# Altium PCB PCB1.PcbDoc
Units mil, origin at the board's own origin, x right, y up, seen from the top; angles counter-clockwise.
Board outline 6000 x 4000 mil, 2 copper layers (Top Layer, Bottom Layer); 78 components, 75 nets, 516 pads, 0 vias.
Unrouted connection lines stored in the file: 162.
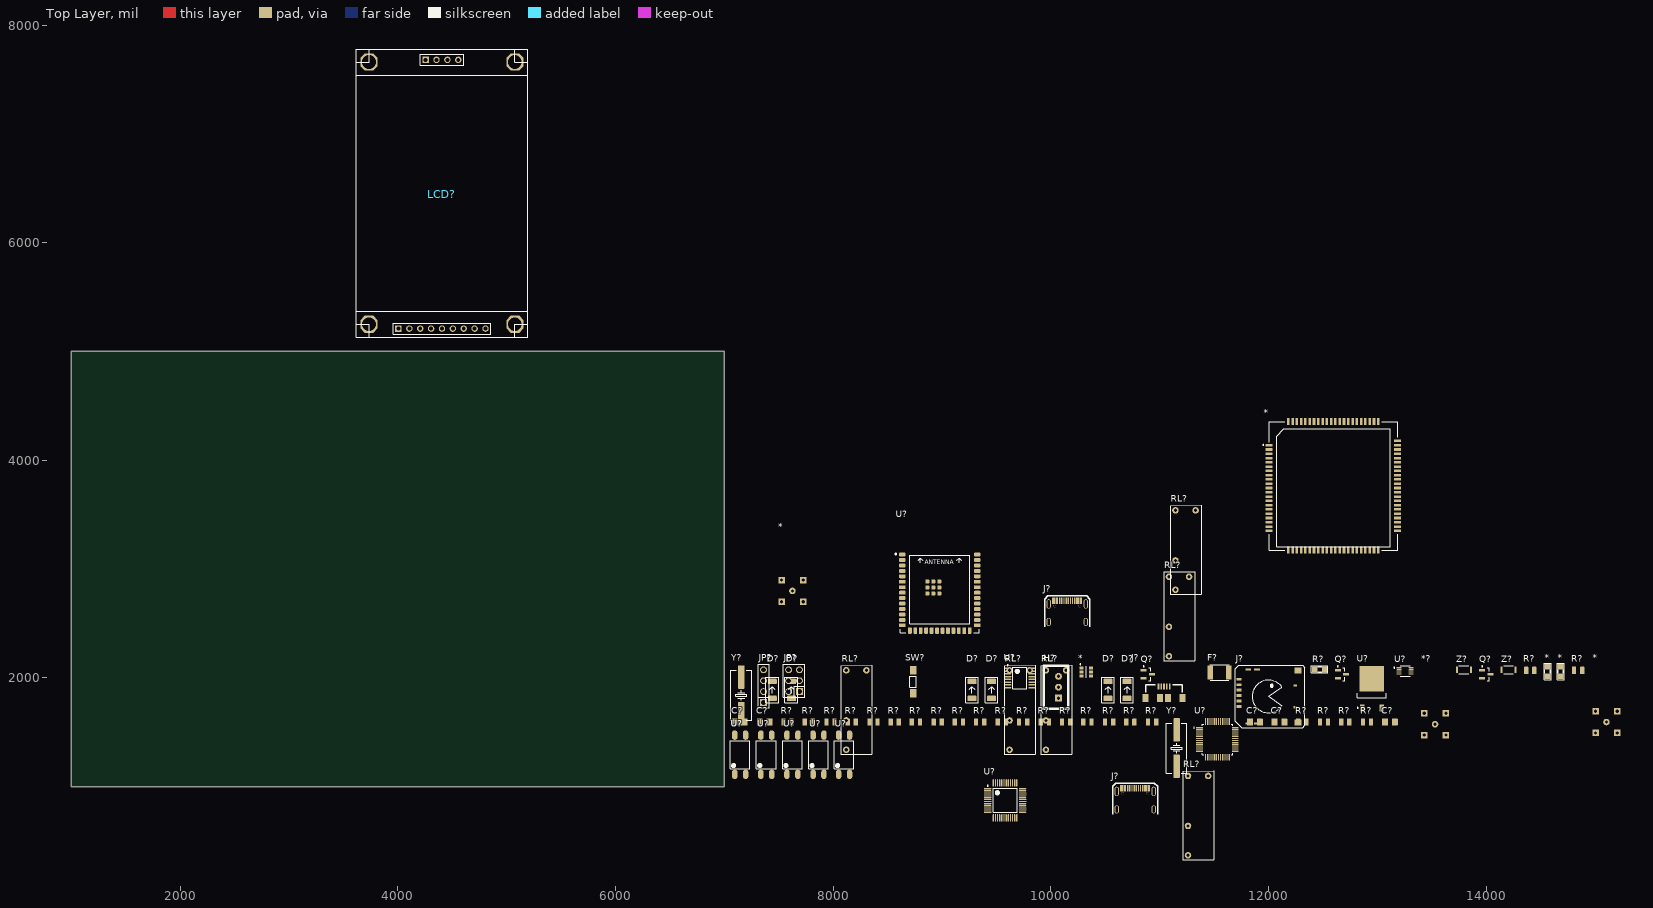
[diagram p0: Top Layer view]
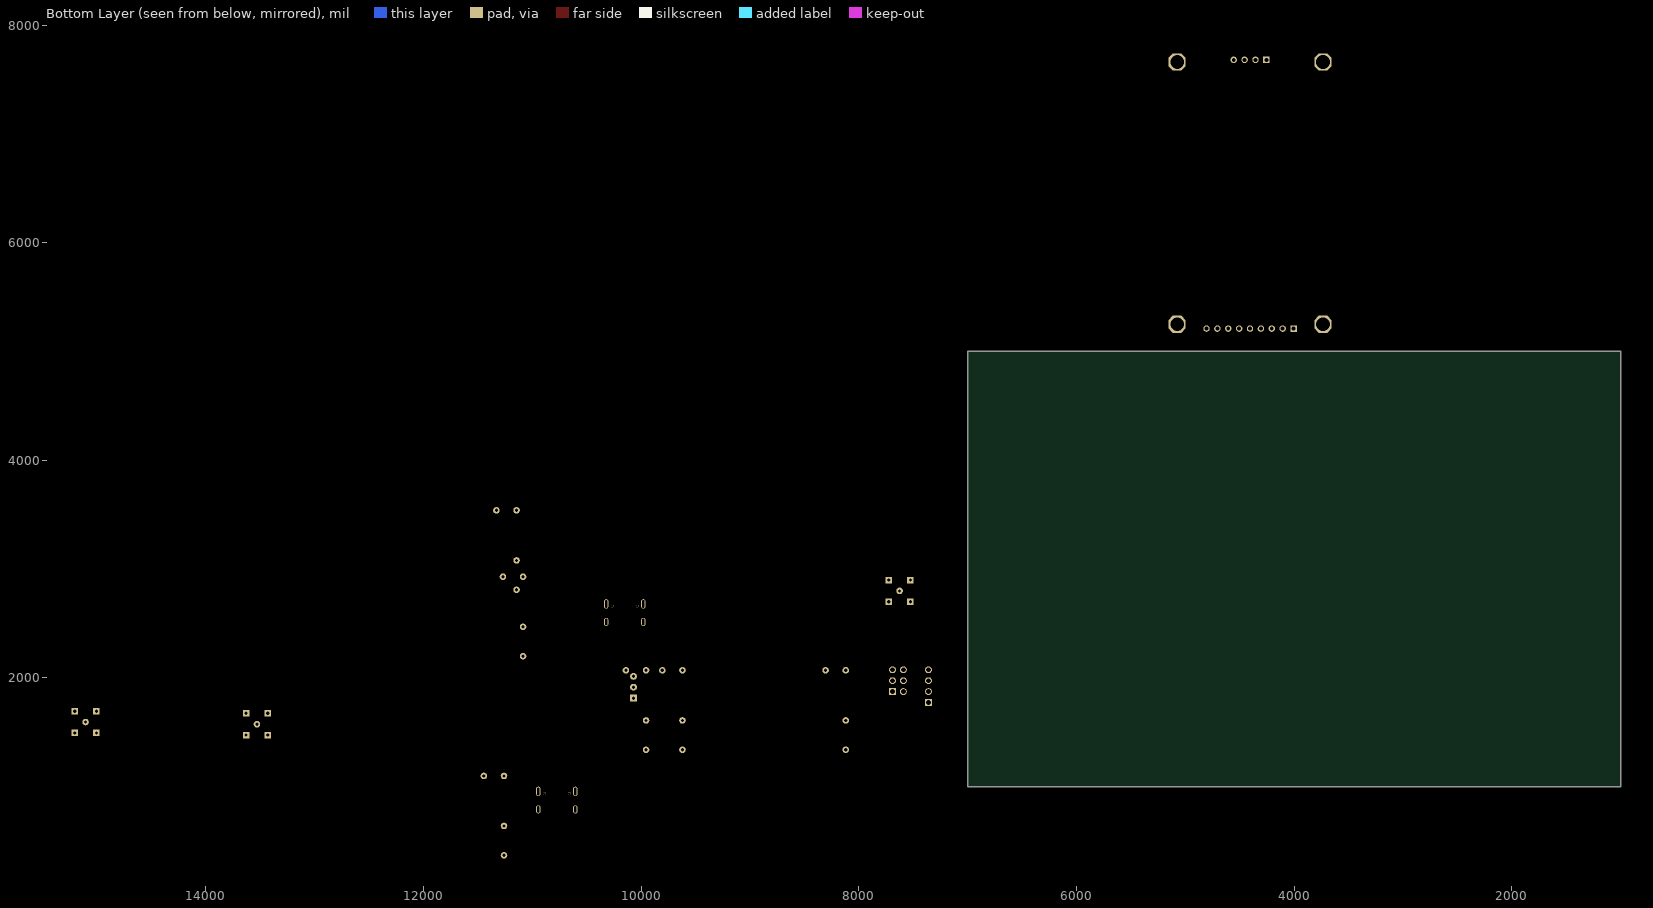
[diagram p1: Bottom Layer view, seen from below]

## Layer stack, top to bottom
Top Solder: solder mask 0.4, Solder Resist, Dk 3.5
Top Layer: signal copper 1.4
Dielectric 1: dielectric 12.6, FR-4, Dk 4.8
Bottom Layer: signal copper 1.4
Bottom Solder: solder mask 0.4, Solder Resist, Dk 3.5

## Board outline
1000,1000 7000,1000 7000,5000 1000,5000

## Design rules (kind name [scope] priority, off if disabled: settings)
Clearance [All] p1: gap=10 ignorepadtopadclearanceinfootprint=FALSE except(0: Arc-Hole Track-Hole SMDPad-Hole THPad-Hole Via-Hole Fill-Hole Poly-Hole Region-Hole Text-Hole)
PolygonConnect [All] p1: connectstyle=Relief reliefconductorwidth=10 reliefentries=4 polygonreliefangle="90 Angle" airgapwidth=10
RoomDefinition Sheet1 [InComponentClass('Sheet1')] p1: confinementstyle=ConfineIn formatcopy=TRUE lockcomponents=FALSE outline 7045,1060 13210,1060 13210,1750 7045,1750
RoutingVias [All] p1: holewidth=28 width=50 viastyle="Through Hole" minholewidth=28 minwidth=50 maxholewidth=28 maxwidth=50
SolderMaskExpansion [All] p1: expansion=4 istentingtop=FALSE
Width [All] p1: maxlimit=10 minlimit=10 preferedwidth=10
30 further rules are at their usual default settings.

## Classes and differential pairs
component class Sheet1: * *? C? D? F? H? JP? LCD? Q? R? RL? SW? U? Y? Z?

## Components (designator, comment, footprint, x,y, rotation, side; value= is the part's Value field where it differs from the comment)
* "ANT" "ANTENNA SMA-KHD" 7625,2800 r90 top
* "ANT" "ANTENNA SMA-KHD" 15105,1595 r90 top
* "IND-0805" "INDUCTOR 0805" 14565,2060 r90 top
* "TPD4E001" TSOT-26-6 10325,2055 r0 top
* "IND-0805" "INDUCTOR 0805" 14685,2060 r90 top
* "SIM760x" SIM7600CE 12595,3765 r0 top
*? "ANT" "ANTENNA SMA-KHD" 13530,1575 r90 top
C? "C0805" CAP_0805 13115,1595 r0 top
C? "C0805" CAP_0805 7370,1595 r0 top
C? "C0805" CAP_0805 11875,1595 r0 top
C? "C0805" CAP_0805 7140,1595 r0 top
C? "C0805" CAP_0805 12100,1595 r0 top
D? "D_SMA" "DO-214AC-2 (SMA)" 10700,1890 r90 top
D? "D_SMA" "DO-214AC-2 (SMA)" 7615,1890 r90 top
D? "D_SMA" "DO-214AC-2 (SMA)" 7440,1890 r90 top
D? "D_SMA" "DO-214AC-2 (SMA)" 9455,1890 r90 top
D? "D_SMA" "DO-214AC-2 (SMA)" 10525,1890 r90 top
D? "D_SMA" "DO-214AC-2 (SMA)" 9275,1890 r90 top
F? "2A 24V" "Cau chi tu phuc hoi 2A 24V SMD1812" 11550,2050 r0 top
H? "" XH2.54M-3 10070,1815 r90 top
J? "TYPE-C-31-M-12" TYPE-C-31-M-12 10775,875 r0 top
J? "78646-3001" 78646-3001 12000,1830 r0 top
J? "USB3100-30-A" USB3100-30-A 11040,1840 r0 top
J? "93463-5206" TYPE-C-31-M-12 10150.28,2597.68 r0 top
JP? "JP 1x4 2.54" "JP 1x4 DT" 7360,1775 r90 top
JP? "JP 2x3 2.54" "JP 2x3 DT" 7640,1975 r90 top
LCD? "LCD TFT 2.2\"" "LCD TFT 2.2\"" 4005,5210 r0 top
Q? "NPN-SOT23" "SOT23 - 3PIN" 12675,2035 r0 top
Q? "NPN-SOT23" "SOT23 - 3PIN" 10890,2035 r0 top
Q? "NPN-SOT23" "SOT23 - 3PIN" 14000,2035 r0 top
R? "R0805" RES_0805 9350,1595 r0 top
R? "R0805" RES_0805 9550,1595 r0 top
R? "R0805" RES_0805 10730,1595 r0 top
R? "R0805" RES_0805 9945,1595 r0 top
R? "R0805" RES_0805 7775,1595 r0 top
R? "R0805" RES_0805 8760,1595 r0 top
R? "R0805" RES_0805 8370,1595 r0 top
R? "R0805" RES_0805 10140,1595 r0 top
R? "R0805" RES_0805 8960,1595 r0 top
R? "R0805" RES_0805 10335,1595 r0 top
R? "R0805" RES_0805 12705,1595 r0 top
R? "R0805" RES_0805 12905,1595 r0 top
R? "R0805" RES_0805 12510,1595 r0 top
R? "R0805" RES_0805 8170,1595 r0 top
R? "R0805" RES_0805 9155,1595 r0 top
R? "R0805" RES_0805 10930,1595 r0 top
R? "R0805" RES_0805 10535,1595 r0 top
R? "R0805" RES_0805 8565,1595 r0 top
R? "R0805" RES_0805 7580,1595 r0 top
R? "R0805" RES_0805 9745,1595 r0 top
R? "R0805" RES_0805 7975,1595 r0 top
R? "R0805" RES_0805 12310,1595 r0 top
R? "R0805" RES_0805 14405,2070 r0 top
R? "R0805" RES_0805 14845,2070 r0 top
R? "1k" "0805 RESISTOR" 12470,2080 r0 top
RL? "RelayHF46" "Relay 4 chan HF46F" 9620,2070 r90 top
RL? "RelayHF46" "Relay 4 chan HF46F" 9955,2070 r90 top
RL? "RelayHF46" "Relay 4 chan HF46F" 11145,3540 r90 top
RL? "RelayHF46" "Relay 4 chan HF46F" 11085,2930 r90 top
RL? "RelayHF46" "Relay 4 chan HF46F" 11260,1100 r90 top
RL? "RelayHF46" "Relay 4 chan HF46F" 8120,2070 r90 top
SW? "DTSM-3" DTSM-3 8735,1965 r90 top
U? "W5500" w5500 11530,1435 r0 top
U? "OPTO PC817 SMD" "PC817 SMD" 7145,1295 r90 top value=PC817
U? "OPTO PC817 SMD" "PC817 SMD" 7865,1295 r90 top value=PC817
U? "OPTO PC817 SMD" "PC817 SMD" 7385,1295 r90 top value=PC817
U? "OPTO PC817 SMD" "PC817 SMD" 7625,1295 r90 top value=PC817
U? "OPTO PC817 SMD" "PC817 SMD" 8100,1295 r90 top value=PC817
U? "OPTO PC817 SMD" "PC817 SMD" 7145,1295 r90 top value=PC817
U? "TXB0102DCUR" txb0102 13255,2065 r0 top
U? "tps5430-DIS" "TO252 DPAK" 12950,1900 r90 top (schematic designator u?)
U? "MAX3232" "TSSOP 16PIN" 9715,2000 r0 top
U? "ESP32-S3-WROOM-1-N4" ESP32-S3-WROOM-1 8979.06,2784.25 r0 top
U? "STM32F103C8T6-LQFP48" "LQFP 48 PIN" 9579.21,874.57 r0 top
Y? "16Mhz" "Thach Anh 2 chan SMD" 11155,1355 r90 top value=4Mhz
Y? "16Mhz" "Thach Anh 2 chan SMD" 7155,1840 r90 top value=4Mhz
Z? "Diode  Zener" "DIODE ZENER SMD" 13730,2075 r0 top
Z? "Diode  Zener" "DIODE ZENER SMD" 14140,2075 r0 top

## Footprints (in the part's own frame and the unit in brackets; to place one, negate y for a bottom-side part, rotate by r counter-clockwise, add the part's x,y. Pads: shape width x height; smd on the part's side, far side on the other; paste and mask are expansions set on the pad)
"0805 RESISTOR" [mil] "Compoment SMD 80x50mil"
  rect 50x55 smd: 1(-45,0) 2(45,0)
  silkscreen extent -77,-34 76,33, body extent -39,-25 39,25, height 24
78646-3001 [mm]
  rect 1.15x0.65 smd: C1(-6.865,2.755) C2(-6.865,0.215) C3(-6.865,-2.325) C5(-6.865,4.025) C6(-6.865,1.485) C7(-6.865,-1.055)
  rect 0.8x0.54 smd: MP(6.285,-2.54) MP(6.285,2.54)
  rect 1.3x0.45 smd: SH(-4.695,-6.27) SH(-4.695,6.27) SH(-2.695,-6.27) SH(-2.695,6.27)
  rect 1.7x1.4 smd: SH(6.865,-6.11) SH(6.865,6.1)
  silkscreen extent -7.75,-7.25 8.5,7.25, body extent -7.3,-6.56 8.15,6.49, height 1.46
"ANTENNA SMA-KHD" [mil]
  rect 60x60 hole 30 unplated: 0(-100,-100) 0(-100,100) 0(100,-100) 0(100,100)
  round 60 hole 30: 1(0,0)
  body extent -138,-138 543,138, height 394
CAP_0805 [mm]
  rrect25% 1.4x1.7 smd: 1(-1.143,0) 2(1.143,0)
  body extent -1.15,-0.76 1.15,0.79, height 1.01
"Cau chi tu phuc hoi 2A 24V SMD1812" [mm]
  rrect25% 1.34x3.29 smd: 1(-2.15,0) 2(2.15,0)
  silkscreen extent -2.28,-1.83 2.28,1.83, body extent -2.27,-1.62 2.27,1.62, height 1.25
"DIODE ZENER SMD" [mm]
  rect 0.47x1.6 smd: 1(0,0) 2(3.302,0)
  silkscreen extent 0.51,-0.89 2.79,0.89, body extent -0.1,-0.73 3.4,0.73, height 1.43
"DO-214AC-2 (SMA)" [mm]
  rrect25% 1.27x2.1 smd: A(-1.985,0) K(1.985,0)
  silkscreen extent -3,-1.5 3,1.5, body extent -2.6,-1.3 2.6,1.3, height 2.42
DTSM-3 [mm]
  rect 2x1.6 smd: 1(-2.7,0) 2(2.7,0)
  silkscreen extent -1.25,-0.75 1.25,0.75, body extent -3.6,-1.75 3.6,1.75, height 4.96
ESP32-S3-WROOM-1 [mm]
  rrect50% 1.5x0.9 smd: 1(-8.75,8.88) 2(-8.75,7.61) 3(-8.75,6.34) 4(-8.75,5.07) 5(-8.75,3.8) 6(-8.75,2.53) 7(-8.75,1.26) 8(-8.75,-0.01) 9(-8.75,-1.28) 10(-8.75,-2.55) 11(-8.75,-3.82) 12(-8.75,-5.09) 13(-8.75,-6.36) 14(-8.75,-7.63) 27(8.75,-7.63) 28(8.75,-6.36) 29(8.75,-5.09) 30(8.75,-3.82) 31(8.75,-2.55) 32(8.75,-1.28) 33(8.75,-0.01) 34(8.75,1.26) 35(8.75,2.53) 36(8.75,3.8) 37(8.75,5.07) 38(8.75,6.34) 39(8.75,7.61) 40(8.75,8.88)
  rrect50% 0.9x1.5 smd: 15(-6.985,-8.88) 16(-5.715,-8.88) 17(-4.445,-8.88) 18(-3.175,-8.88) 19(-1.905,-8.88) 20(-0.635,-8.88) 21(0.635,-8.88) 22(1.905,-8.88) 23(3.175,-8.88) 24(4.445,-8.88) 25(5.715,-8.88) 26(6.985,-8.88)
  rrect25% 0.9x0.9 smd: EP(-2.9,-0.235) EP(-2.9,1.165) EP(-2.9,2.565) EP(-1.5,-0.235) EP(-1.5,1.165) EP(-1.5,2.565) EP(-0.1,-0.235) EP(-0.1,1.165) EP(-0.1,2.565)
  silkscreen extent -10.4,-9.36 9.25,9.15, body extent -9.01,-9.14 9.01,16.37, height 3.18
"INDUCTOR 0805" [mil]
  rect 50x55 smd: 1(-45,0) 2(45,0)
  silkscreen extent -77,-34 76,33, body extent -39,-25 39,25, height 20
"JP 1x4 DT" [mm] "4 pins, 1 row, straight, gold plating"
  rect 1.6x1.6 hole 1.1: 1(0,0)
  round 1.6 hole 1.1: 2(2.54,0) 3(5.08,0) 4(7.62,0)
  silkscreen extent -1.27,-1.27 8.89,1.27, body extent -1.27,-1.27 8.89,1.27, height 8.54
"JP 2x3 DT" [mm]
  rect 1.6x1.6 hole 1.1: 1(-2.54,-1.27)
  round 1.6 hole 1.1: 2(0,-1.27) 3(2.54,-1.27) 4(2.54,1.27) 5(0,1.27) 6(-2.54,1.27)
  silkscreen extent -3.81,-2.54 3.81,2.54, body extent -3.81,-2.54 3.81,2.54, height 8.55
"LCD TFT 2.2\"" [mm]
  rect 1.5x1.5 hole 0.9: 1(0,0) 10(6.35,62.738)
  round 1.5 hole 0.9: 2(2.54,0) 3(5.08,0) 4(7.62,0) 5(10.16,0) 6(12.7,0) 7(15.24,0) 8(17.78,0) 9(20.32,0) 11(8.89,62.738) 12(11.43,62.738) 13(13.97,62.738)
  oct 4x4 hole 3.2: ""(-6.858,1.016) ""(-6.858,62.216) ""(27.178,1.016) ""(27.178,62.216)
  silkscreen extent -9.91,-2.03 30.19,65.17, body extent -9.89,-2.03 30.21,65.17, height 12
"LQFP 48 PIN" [mm] "TSQFP, 48-Leads, Body 9.2x9.2mm (max), Pitch 0.50mm, IPC Medium Density"
  oval 1.75x0.3 smd: 1(-4.075,2.75) 2(-4.075,2.25) 3(-4.075,1.75) 4(-4.075,1.25) 5(-4.075,0.75) 6(-4.075,0.25) 7(-4.075,-0.25) 8(-4.075,-0.75) 9(-4.075,-1.25) 10(-4.075,-1.75) 11(-4.075,-2.25) 12(-4.075,-2.75) 25(4.075,-2.75) 26(4.075,-2.25) 27(4.075,-1.75) 28(4.075,-1.25) 29(4.075,-0.75) 30(4.075,-0.25) 31(4.075,0.25) 32(4.075,0.75) 33(4.075,1.25) 34(4.075,1.75) 35(4.075,2.25) 36(4.075,2.75)
  oval 0.3x1.75 smd: 13(-2.75,-4.075) 14(-2.25,-4.075) 15(-1.75,-4.075) 16(-1.25,-4.075) 17(-0.75,-4.075) 18(-0.25,-4.075) 19(0.25,-4.075) 20(0.75,-4.075) 21(1.25,-4.075) 22(1.75,-4.075) 23(2.25,-4.075) 24(2.75,-4.075) 37(2.75,4.075) 38(2.25,4.075) 39(1.75,4.075) 40(1.25,4.075) 41(0.75,4.075) 42(0.25,4.075) 43(-0.25,4.075) 44(-0.75,4.075) 45(-1.25,4.075) 46(-1.75,4.075) 47(-2.25,4.075) 48(-2.75,4.075)
  silkscreen extent -4.2,-2.8 2.8,3.57, body extent -4.5,-4.5 4.5,4.5, height 1.45
"PC817 SMD" [mm] "SMD"
  oval 2.2x1.3 smd: 1(-4.572,1.27) 2(-4.572,-1.27) 3(4.572,-1.27) 4(4.572,1.27)
  silkscreen extent -3.3,-2.29 3.3,2.29, body extent -4.87,-2.29 5.13,2.29, height 3.95
"Relay 4 chan HF46F" [mil]
  round 60 hole 30: 1(0,0) 2(0,-185.04) 3(-460,0) 4(-730,0)
  silkscreen extent -770,-235 46,50, body extent -763,-228 40,48, height 154
RES_0805 [mm]
  rrect25% 1x1.7 smd: 1(-0.95,0) 2(0.95,0)
  body extent -1,-0.63 1,0.63, height 0.47
SIM7600CE [mm]
  rect 1.6x0.6 smd: 1(-15,9.5) 2(-15,8.5) 3(-15,7.5) 4(-15,6.5) 5(-15,5.5) 6(-15,4.5) 7(-15,3.5) 8(-15,2.5) 9(-15,1.5) 10(-15,0.5) 11(-15,-0.5) 12(-15,-1.5) 13(-15,-2.5) 14(-15,-3.5) 15(-15,-4.5) 16(-15,-5.5) 17(-15,-6.5) 18(-15,-7.5) 19(-15,-8.5) 20(-15,-9.5) 41(15,-9.5) 42(15,-8.5) 43(15,-7.5) 44(15,-6.5) 45(15,-5.5) 46(15,-4.5) 47(15,-3.5) 48(15,-2.5) 49(15,-1.5) 50(15,-0.5) 51(15,0.5) 52(15,1.5) 53(15,2.5) 54(15,3.5) 55(15,4.5) 56(15,5.5) 57(15,6.5) 58(15,7.5) 59(15,8.5) 60(15,9.5) 81(-15,-10.5) 82(15,-10.5) 85(15,10.5)
  rect 0.6x1.6 smd: 21(-9.5,-15) 22(-8.5,-15) 23(-7.5,-15) 24(-6.5,-15) 25(-5.5,-15) 26(-4.5,-15) 27(-3.5,-15) 28(-2.5,-15) 29(-1.5,-15) 30(-0.5,-15) 31(0.5,-15) 32(1.5,-15) 33(2.5,-15) 34(3.5,-15) 35(4.5,-15) 36(5.5,-15) 37(6.5,-15) 38(7.5,-15) 39(8.5,-15) 40(9.5,-15) 61(9.5,15) 62(8.5,15) 63(7.5,15) 64(6.5,15) 65(5.5,15) 66(4.5,15) 67(3.5,15) 68(2.5,15) 69(1.5,15) 70(0.5,15) 71(-0.5,15) 72(-1.5,15) 73(-2.5,15) 74(-3.5,15) 75(-4.5,15) 76(-5.5,15) 77(-6.5,15) 78(-7.5,15) 79(-8.5,15) 80(-9.5,15) 83(10.5,-15) 84(-10.5,-15) 86(-10.5,15) 87(10.5,15)
  silkscreen extent -16.43,-15 15,15, body extent -15,-14.99 15,15.01, height 3
"SOT23 - 3PIN" [mm]
  rect 1.4x0.6 smd: 1(-0.95,0.95) 2(-0.95,-0.95) 3(0.95,0)
  silkscreen extent -1.07,-1.5 0.7,1.92, body extent -1.4,-1.45 1.4,1.45, height 1.29
"Thach Anh 2 chan SMD" [mm] "SMD Crystal HC49/US-SM package"
  round 0.508 on Mech15: 0(0,0)
  rrect25% 5.5x1.5 smd: 1(-4.25,0) 2(4.25,0)
  silkscreen extent -5.84,-2.41 5.84,2.41, body extent -6.4,-2.41 6.4,2.42, height 4.29
"TO252 DPAK" [mm] "D-PAK, 3-Pads, Body 6.3x6.8mm (max), IPC Medium Density"
  rect 1.6x1 smd: 1(-4.45,2.28) 3(-4.45,-2.28)
  rect 5.9x5.7 smd: 2(2.35,0)
  silkscreen extent -4.57,-3.4 -1,3.45, body extent -4.71,-3.29 4.99,3.29, height 2.3
TSOT-26-6 [mm] "TSOP, 6-Leads, Body 2.90x1.60mm, Pitch 0.95mm, IPC Medium Density"
  rrect25% 1x0.7 smd: 1(-1.1,0.95) 2(-1.1,0) 3(-1.1,-0.95) 4(1.1,-0.95) 5(1.1,0) 6(1.1,0.95)
  silkscreen extent -1.47,-1.3 0,1.92, body extent -1.4,-1.55 1.4,1.55, height 1
"TSSOP 16PIN" [mm]
  oval 1.7x0.35 smd: 1(-2.85,2.275) 2(-2.85,1.625) 3(-2.85,0.975) 4(-2.85,0.325) 5(-2.85,-0.325) 6(-2.85,-0.975) 7(-2.85,-1.625) 8(-2.85,-2.275) 9(2.85,-2.275) 10(2.85,-1.625) 11(2.85,-0.975) 12(2.85,-0.325) 13(2.85,0.325) 14(2.85,0.975) 15(2.85,1.625) 16(2.85,2.275)
  silkscreen extent -2.97,-2.55 1.6,3.12, body extent -3.2,-2.5 3.2,2.5, height 1
txb0102 [mm]
  rrect25% 1.12x0.27 smd: 1(-1.405,0.75) 2(-1.405,0.25) 3(-1.405,-0.25) 4(-1.405,-0.75) 5(1.405,-0.75) 6(1.405,-0.25) 7(1.405,0.25) 8(1.405,0.75)
  silkscreen extent -2.62,-1.2 1.15,1.2, body extent -1.55,-1.02 1.55,0.98, height 0.9
TYPE-C-31-M-12 [mm]
  rect 0.6x1.5 smd mask+0.07: A1B12(-3.2,2.85) B1A12(3.2,2.85)
  rect 0.6x1.5 smd mask+0.14: A4B9(-2.4,2.85) B4A9(2.4,2.85)
  rect 0.3x1.5 smd mask+0.14: A5(-1.25,2.85) A6(-0.25,2.85) A7(0.25,2.85) A8(1.25,2.85) B5(1.75,2.85) B6(0.75,2.85) B7(-0.75,2.85) B8(-1.75,2.85)
  round 0.6 hole 0.6 unplated mask+0.3: MH(-2.9,1.6) MH(2.9,1.6)
  oval 1x1.9 hole 0.55 slot 1.45 at 90 deg mask+0.05: SH(-4.325,-2.1) SH(4.325,-2.1)
  oval 1x2.2 hole 0.55 slot 1.75 at 90 deg mask+0.05: SH(-4.325,2.1) SH(4.325,2.1)
  silkscreen extent -5.25,-3.25 5.25,4, body extent -4.47,-4.65 4.47,3.25, height 3.32
USB3100-30-A [mm]
  rect 0.4x1.35 smd mask+0.15: 1(1.3,2.063) 2(0.65,2.063) 3(0,2.063) 4(-0.65,2.063) 5(-1.3,2.063)
  rect 1.4x1.9 smd: SH(-4.3,-0.613) SH(4.3,-0.613)
  rect 1.4x1.9 smd mask+0.3: SH(-0.95,-0.613) SH(0.95,-0.613)
  silkscreen extent -4.25,0.75 4.25,2.5, body extent -4.61,-3.34 4.61,2.16, height 2.69
w5500 [mm]
  rect 1.56x0.28 smd: 1(-4.18,2.75) 2(-4.18,2.25) 3(-4.18,1.75) 4(-4.18,1.25) 5(-4.18,0.75) 6(-4.18,0.25) 7(-4.18,-0.25) 8(-4.18,-0.75) 9(-4.18,-1.25) 10(-4.18,-1.75) 11(-4.18,-2.25) 12(-4.18,-2.75) 25(4.18,-2.75) 26(4.18,-2.25) 27(4.18,-1.75) 28(4.18,-1.25) 29(4.18,-0.75) 30(4.18,-0.25) 31(4.18,0.25) 32(4.18,0.75) 33(4.18,1.25) 34(4.18,1.75) 35(4.18,2.25) 36(4.18,2.75)
  rect 0.28x1.56 smd: 13(-2.75,-4.18) 14(-2.25,-4.18) 15(-1.75,-4.18) 16(-1.25,-4.18) 17(-0.75,-4.18) 18(-0.25,-4.18) 19(0.25,-4.18) 20(0.75,-4.18) 21(1.25,-4.18) 22(1.75,-4.18) 23(2.25,-4.18) 24(2.75,-4.18) 37(2.75,4.18) 38(2.25,4.18) 39(1.75,4.18) 40(1.25,4.18) 41(0.75,4.18) 42(0.25,4.18) 43(-0.25,4.18) 44(-0.75,4.18) 45(-1.25,4.18) 46(-1.75,4.18) 47(-2.25,4.18) 48(-2.75,4.18)
  silkscreen extent -5.55,-3.55 3.55,3.55, body extent -4.5,-4.5 4.5,4.5, height 1.6
XH2.54M-3 [mm]
  rect 1.6x1.6 hole 0.8: 1(0,0)
  round 1.6 hole 0.8: 2(2.54,0) 3(5.08,0)
  silkscreen extent -2.48,-2.26 7.56,3.46, body extent -2.48,-2.26 7.56,3.48, height 6.91

## Part data
C? C? C? C? C?: library part CAP_0805, "Capacitor SMD 0805"
D? D? D? D? D? D?: "Diode SMD SMA (DO-214AA)"
F?: library part "Cau chi tu phuc hoi 2A 24V SMD1812", "2A 24V SMD1812", Ma_Hang=MH010033, Ten="Cầu Chì Tự Phục Hồi 2A 24V SMD1812"
H?: library part "Header 3P 2.54 Duc Thang", "Cắm", Chung_Loai=Cắm, Don_Vi=Con, Ma_Hang=MH001292, Ten_Linh_Kien="Header 3P XH2.54-3P Đực Thẳng"
J?: "USB Type C Connector Horizontal SMT", Manufacturer="Koren Hroparts", Manufacturer Part Number=TYPE-C-31-M-12
J?: library part micro-sim, "micro-SIM Card Socket without Detect Switch, 1.45mm Height, Push-Pull Eject, Surface Mount, 6 Circuits, Low-Halogen, Lead-Free", Manufacturer=Molex, Manufacturer Part Number=78646-3001
J?: "USB Connector Type Micro B 2.0 SMD Reverse Mount", Manufacturer=GCT, Manufacturer Part Number=USB3100-30-A
J?: library part enthernet, "MXMag Gigabit Ethernet 8 Core Non-PoE Single-Port RJ45 Connector, 21.40mm Depth, 3.30mm Phy Pin Length, Right-Angle, Inverted Profile, with Shield Tabs, with Green-Green LEDs, Standard Temperature, with 2kV Shield Connection, Tray", Manufacturer=Molex, Manufacturer Part Number=93463-5206
JP?: library part "JP 1x4 2.54 Duc Thang", "Cắm", Chung_Loai=Cắm, Don_Vi=Con, Ma_Hang=MH000903, Ten_Linh_Kien="Jump Đơn Đực 2.54MM 1x40P Thẳng 11MM"
JP?: library part "JP 2x3 2.54 Duc Thang", "Cắm", Chung_Loai=Cắm, Don_Vi=Con, Ma_Hang=MH002686, Ten_Linh_Kien="Jump Đôi Đực 2.54MM 2x40P Thẳng 11MM"
R? R? R? R? R? R? R? R? R? R? R? R? R? R? R? R? R? R? R? R? R? R? R? R?: library part RES_0805, "Resistor SMD 0805"
R?: library part "RES 0805", "RES SMD 0805", Manufacturer="Vishay Dale", Manufacturer Part Number=CRCW040210K0FKED, Operating Temperature="-55°C ~ 155°C", Package / Case="0402 (1005 Metric)", Power (Watts)="0.063W, 1/16W", Resistance (Ohms)=10k, Supplier Part Number 1=541-10.0KLCT-ND, Temperature Coefficient=±100ppm/°C, Tolerance=±1%, Category=Resistors, ComponentLink1Description=http://www.vishay.com/docs/20035/dcrcwe3.pdf, ComponentLink1URL=http://www.vishay.com/docs/20035/dcrcwe3.pdf, Composition="Thick Film", Features="Automotive AEC-Q200", Height="0.016\" (0.40mm)", Number of Terminations=2, Packaging="Cut Tape (CT)", Pricing 1="10=0.083, 50=0.0444, 200=0.0255, 1000=0.0174 (USD)", RoHS="RoHS Compliant", Size / Dimension="0.039\" L x 0.020\" W (1.00mm x 0.50mm)", Stock 1=2392462, Supplier 1=Digi-Key, Supplier Device Package="0402 (1005 Metric)"
RL? RL? RL? RL? RL? RL?: library part "Relay 4 chan HF46F", "Relay 4 chan HF46F", Ma_Hang=MH003879, Ten="Relay 5V5A HF46F-G 5-HS1"
SW?: "Tactile Switch SMD SPST", Manufacturer=Diptronics, Manufacturer Part Number=DTSM-3
U?: "Hardwired TCP/IP embedded Ethernet controller", Package=None, Availability=Unavailable, MP=W5500, Price=None
U? U? U? U? U? U?: "Single Opto"
U?: "2-Bit Bidirectional Voltage-Level Shifter with Auto Direction Sensing and +/-15-kV ESD Protect 8-VSSOP -40 to 85", Package="VSSOP-8 Texas Instruments", Digi-Key_Part_Number=296-22862-1-ND, DigiKey-Purchase-URL=https://snapeda.com/shop?store=DigiKey&id=350005, MF="Texas Instruments", Mouser-Purchase-URL=https://snapeda.com/shop?store=Mouser&id=350005, MP=TXB0102DCUR, SnapEDA_Link=https://www.snapeda.com/parts/TXB0102DCUR/Texas%20Instruments/view-part/350005/?ref=snap, Texas_Instruments-Purchase-URL=https://snapeda.com/shop?store=Texas+Instruments&id=350005
U?: "2.4 GHz Wi-Fi (802.11 b/g/n) and Bluetooth 5 (LE) Module ESP32-S3, 4MB Flash, on-board PCB antenna)", Manufacturer=Espressif, Distributor Link=https://www.mouser.de/ProductDetail/Espressif-Systems/ESP32-S3-WROOM-1-N4?qs=Li%252BoUPsLEnsO%2FkiJOUK0FQ%3D%3D, Manufacturer Part Number=ESP32-S3-WROOM-1-N4
Y? Y?: library part "Thach Anh 2 chan SMD", "Crystal For all Crystal 2pin."
Z? Z?: library part "Diode Zener"
U?: ComponentLink1Description="Manufacturer Link", ComponentLink1URL=www.st.com/stm32, ComponentLink2Description=Datasheet, ComponentLink2URL=http://www.st.com/stonline/products/literature/ds/13586.pdf, DatasheetVersion="rev6, Mar-2008", PackageDescription="48-Pin Low-Profile Quad Flat Pack, 7 x 7 mm Body, 0.5 mm Pitch (LQFP48)", PackageReference=LQFP48, PackageVersion=Mar-2008, Published=30-May-2008, Publisher="Altium Limited"

## Nets (pads, with @x,y where several pads share a name; then routed paths per layer and width w, separated by ;. In a path a pad name is that pad's centre, name@x,y a point inside that pad or via, vN(x,y) a via of type N, cw(c..) or ccw(c..) an arc to the next point about the centre after c; other vN are vias at no path point)
1.8V: *.15 U?.3@13199.68,2055.16
+3.3V: JP?.1@7690,1875 JP?.4@7360,2075 JP?.6 R?.1@7937.6,1595 R?.1@8132.6,1595 R?.1@8332.6,1595 R?.1@8527.6,1595 R?.2@9782.4,1595 R?.2@9982.4,1595 R?.2@10177.4,1595 R?.2@10372.4,1595 R?.2@10572.4,1595 R?.2@10767.4,1595 R?.2@12347.4,1595 R?.2@12742.4,1595 U?.2@13199.68,2074.84 U?.8@9418.78,845.04 U?.8@11365.43,1405.47 U?.11@11365.43,1346.42 U?.15@11461.1,1270.43 U?.16@9827.2,2089.57 U?.17@11500.47,1270.43 U?.21@11579.21,1270.43 U?.24@9687.48,714.13 U?.28@11694.57,1385.79 U?.36@9739.65,982.83 U?.48@9470.94,1035
+3.8V: *.62 *.63 R?.1@14807.6,2070
+5V: J?.A4B9@10680.51,987.2 J?.B4A9@10869.49,987.2
+12V: D?.K@10525,1968.15 D?.K@10700,1968.15 RL?.1@11085,2930 RL?.1@11145,3540 U?.4@7815,1475 U?.4@8050,1475 U?.7@11365.43,1425.16
BOOT0: U?.44@9549.68,1035
BOOT1: U?.20@9608.74,714.13
CS-ETH: R?.1@9707.6,1595 U?.32@11694.57,1464.53
GND: *.0@15005,1495 *.0@15005,1695 *.0@15205,1495 *.0@15205,1695 *.1@12004.45,4139.02 *.2@10281.69,2055 *.2@12004.45,4099.65 *.5@12004.45,3981.54 *.10 *.14 *.20 *.37 *.40 *.41 *.43 *.57 *.58 *.60 *.61 *.64 *.65 *.77 *.78 *.80 *.81 *?.0 C?.2@7185,1595 C?.2@7415,1595 C?.2@11920,1595 C?.2@12145,1595 H?.3 J?.4 J?.5 J?.A1B12@10649.02,987.2 J?.B1A12@10900.98,987.2 J?.C1 J?.C5 J?.SH@9980,2515 J?.SH@9980,2680.35 J?.SH@10320.55,2515 J?.SH@10320.55,2680.35 J?.SH@10604.72,792.32 J?.SH@10604.72,957.68 J?.SH@10945.28,792.32 J?.SH@10945.28,957.68 J?.SH@11815.16,1583.15 J?.SH@11815.16,2076.85 J?.SH@11893.9,1583.15 J?.SH@11893.9,2076.85 J?.SH@12270.28,1589.45 J?.SH@12270.28,2070.16 JP?.1@7360,1775 JP?.3@7690,2075 JP?.4@7590,2075 Q?.2 R?.1@7542.6,1595 R?.1@7737.6,1595 R?.1@8722.6,1595 R?.1@8922.6,1595 R?.1@9117.6,1595 R?.1@10892.6,1595 R?.1@12472.6,1595 R?.1@12867.6,1595 R?.2@9587.4,1595 SW?.1 U?.2@7195,1115 U?.2@7435,1115 U?.2@7675,1115 U?.2@7915,1115 U?.2@8150,1115 U?.3@11365.43,1503.9 U?.7@13310.32,2074.84 U?.9@9418.78,825.35 U?.9@11365.43,1385.79 U?.14@11441.42,1270.43 U?.15@9827.2,2063.98 U?.16@11480.79,1270.43 U?.19@11539.84,1270.43 U?.23@9667.8,714.13 U?.29@11694.57,1405.47 U?.35@9739.65,963.15 U?.47@9490.63,1035 U?.48@11421.73,1599.57 Z?.1
LED-ACT: U?.27@11694.57,1366.1
LED-LINK: U?.25@11694.57,1326.73
MISO-ETH: U?.34@11694.57,1503.9
MOSI-ETH: U?.35@11694.57,1523.58
Net*?_1: *.2@14565,2105 *.2@14685,2105 *?.1
Net*_1: *.1@10281.69,2092.4 J?.C7
Net*_4: *.4@10368.31,2017.6 J?.C3
Net*_5: *.5@10368.31,2055
Net*_17: *.17
Net*_18: *.18
Net*_19: *.19
Net*_38: *.38 *.39
Net*_59: *.59 R?.1@14367.6,2070 Z?.2@13860,2075
Net*_79: *.79
Net*_85: *.85
NetC?_1: D?.K@7615,1968.15 RL?.1@8120,2070 U?.4@7095,1475
NetC?_2: D?.A@7615,1811.85 Q?.3@12712.4,2035 RL?.2@8305.04,2070
NetD?_A: D?.A@10700,1811.85 F?.2
NetF?_1: F?.1
NetH?_1: H?.1 U?.8@9602.8,1910.43
NetH?_2: H?.2 U?.7@9602.8,1936.02
NetJ?_1: R?.2@8207.4,1595 U?.2@11365.43,1523.58
NetJ?_2: R?.2@8012.4,1595 U?.1@11365.43,1543.27
NetJ?_3: R?.2@8407.4,1595 U?.6@11365.43,1444.84
NetJ?_6: R?.2@8602.4,1595 U?.5@11365.43,1464.53
NetJ?_9: R?.1@10102.6,1595
NetJ?_11: R?.1@9907.6,1595
NetJ?_A5: J?.A5@10725.79,987.2
NetJ?_B5: J?.B5@10843.9,987.2
NetJ?_C2: J?.C2
NetJP?_2: JP?.2@7690,1975
NetJP?_5: JP?.5
NetKF?_1: RL?.3@8120,1610
NetKF?_2: RL?.4@8120,1340
NetL?_1: 
NetL?_2: 
NetLabel29: U?.1@13199.68,2094.53
NetLabel30: U?.8@13310.32,2094.53
NetQ?_1: Q?.1@13962.6,2072.4
NetQ?_3: Q?.3@10927.4,2035
NetR?_1: U?.4@11365.43,1484.21
NetR?_2: U?.1@7095,1115
OSCIN: U?.5@9418.78,904.09
OSCOUT: C?.2@13160,1595 U?.6@9418.78,884.41 Y?.1@7155,1672.68
PA11: J?.A7@10784.84,987.2 J?.B7@10745.47,987.2 U?.32@9739.65,904.09
PA12: J?.A6@10765.16,987.2 J?.B6@10804.53,987.2 U?.33@9739.65,923.78
PC13: U?.2@9418.78,963.15
PMODE0: R?.1@10692.6,1595 R?.2@10967.4,1595 U?.45@11480.79,1599.57
PMODE1: R?.1@12272.6,1595 R?.2@12547.4,1595 U?.44@11500.47,1599.57
PMODE2: R?.1@12667.6,1595 R?.2@12942.4,1595 U?.43@11520.16,1599.57
RELAY: 
RESET: C?.1@13070,1595 R?.1@9312.6,1595 SW?.2 U?.7@9418.78,864.72
SCLK-ETH: U?.33@11694.57,1484.21
SIM-D+: *.13
SIM-D-: *.12 J?.2
SIM-LIGHT: R?.2@9387.4,1595
SIM-POW_ON: 
SIM-RST: Q?.3@14037.4,2035
SIM-RX-1.8V: *.68 U?.5@13310.32,2035.47
SIM-STATUS: *.49
SIM-TX-1.8V: *.71
sim-vbus: *.11 J?.1
STM_RX: U?.9@9827.2,1910.43
STM_TX: U?.10@9827.2,1936.02
SWDCLK: U?.37@9687.48,1035
SWDIO: JP?.3@7360,1975 U?.34@9739.65,943.46
pads on no net: *.0@7525,2700 *.0@7525,2900 *.0@7725,2700 *.0@7725,2900 *.1@7625,2800 *.1@14565,2015 *.1@14685,2015 *.1@15105,1595 *.3 *.4@12004.45,4020.91 *.6 *.7 *.8 *.9 *.16 *.21 *.22 *.23 *.24 *.25 *.26 *.27 *.28 *.29 *.30 *.31 *.32 *.33 *.34 *.35 *.36 *.42 *.44 *.45 *.46 *.47 *.48 *.50 *.51 *.52 *.53 *.54 *.55 *.56 *.66 *.67 *.69 *.70 *.72 *.73 *.74 *.75 *.76 *.82 *.83 *.84 *.86 *.87 C?.1@7095,1595 C?.1@7325,1595 C?.1@11830,1595 C?.1@12055,1595 D?.A@7440,1811.85 D?.A@9275,1811.85 D?.A@9455,1811.85 D?.A@10525,1811.85 D?.K@7440,1968.15 D?.K@9275,1968.15 D?.K@9455,1968.15 J?.3 J?.A1B12@10024.29,2709.88 J?.A4B9@10055.79,2709.88 J?.A5@10101.06,2709.88 J?.A6@10140.43,2709.88 J?.A7@10160.12,2709.88 J?.A8 J?.B1A12@10276.26,2709.88 J?.B4A9@10244.76,2709.88 J?.B5@10219.17,2709.88 J?.B6@10179.8,2709.88 J?.B7@10120.75,2709.88 J?.B8 J?.C6 J?.MH J?.MP J?.SH@10870.71,1815.89 J?.SH@11002.6,1815.89 J?.SH@11077.4,1815.89 J?.SH@11209.29,1815.89 JP?.2@7360,1875 LCD?. LCD?.1 LCD?.2 LCD?.3 LCD?.4 LCD?.5 LCD?.6 LCD?.7 LCD?.8 LCD?.9 LCD?.10 LCD?.11 LCD?.12 LCD?.13 Q?.1@10852.6,2072.4 Q?.1@12637.6,2072.4 R?.1@9512.6,1595 R?.1@10297.6,1595 R?.1@10497.6,1595 R?.1@12425,2080 R?.2@7617.4,1595 R?.2@7812.4,1595 R?.2@8797.4,1595 R?.2@8997.4,1595 R?.2@9192.4,1595 R?.2@12515,2080 R?.2@14442.4,2070 R?.2@14882.4,2070 RL?.1@9620,2070 RL?.1@9955,2070 RL?.1@11260,1100 RL?.2@9805.04,2070 RL?.2@10140.04,2070 RL?.2@11270.04,2930 RL?.2@11330.04,3540 RL?.2@11445.04,1100 RL?.3@9620,1610 RL?.3@9955,1610 RL?.3@11085,2470 RL?.3@11145,3080 RL?.3@11260,640 RL?.4@9620,1340 RL?.4@9955,1340 RL?.4@11085,2200 RL?.4@11145,2810 RL?.4@11260,370 U?.1@7095,1115 U?.1@7335,1115 U?.1@7575,1115 U?.1@7815,1115 U?.1@8050,1115 U?.1@8634.57,3133.86 U?.1@9418.78,982.83 U?.1@9602.8,2089.57 U?.1@12860.24,1724.8 U?.2@8634.57,3083.86 U?.2@9602.8,2063.98 U?.2@12950,1992.52 U?.3@7195,1475 U?.3@7435,1475 U?.3@7675,1475 U?.3@7915,1475 U?.3@8150,1475 U?.3@8634.57,3033.86 U?.3@9418.78,943.46 U?.3@9602.8,2038.39 U?.3@13039.76,1724.8 U?.4@7095,1475 U?.4@7335,1475 U?.4@7575,1475 U?.4@8634.57,2983.86 U?.4@9418.78,923.78 U?.4@9602.8,2012.8 U?.4@13199.68,2035.47 U?.5@8634.57,2933.86 U?.5@9602.8,1987.2 U?.6@8634.57,2883.86 U?.6@9602.8,1961.61 U?.6@13310.32,2055.16 U?.7@8634.57,2833.86 U?.8@8634.57,2783.86 U?.9@8634.57,2733.86 U?.10@8634.57,2683.86 U?.10@9418.78,805.67 U?.10@11365.43,1366.1 U?.11@8634.57,2633.86 U?.11@9418.78,785.98 U?.11@9827.2,1961.61 U?.12 U?.13 U?.14@8634.57,2483.86 U?.14@9490.63,714.13 U?.14@9827.2,2038.39 U?.15@8704.06,2434.65 U?.15@9510.31,714.13 U?.16@8754.06,2434.65 U?.16@9530,714.13 U?.17@8804.06,2434.65 U?.17@9549.68,714.13 U?.18 U?.19@8904.06,2434.65 U?.19@9589.06,714.13 U?.20@8954.06,2434.65 U?.20@11559.53,1270.43 U?.21@9004.06,2434.65 U?.21@9628.43,714.13 U?.22 U?.23@9104.06,2434.65 U?.23@11618.58,1270.43 U?.24@9154.06,2434.65 U?.24@11638.27,1270.43 U?.25@9204.06,2434.65 U?.25@9739.65,766.3 U?.26 U?.27@9323.54,2483.86 U?.27@9739.65,805.67 U?.28@9323.54,2533.86 U?.28@9739.65,825.35 U?.29@9323.54,2583.86 U?.29@9739.65,845.04 U?.30 U?.31 U?.32@9323.54,2733.86 U?.33@9323.54,2783.86 U?.34@9323.54,2833.86 U?.35@9323.54,2883.86 U?.36@9323.54,2933.86 U?.36@11694.57,1543.27 U?.37@9323.54,2983.86 U?.37@11638.27,1599.57 U?.38 U?.39 U?.40 U?.41 U?.42 U?.43@9569.37,1035 U?.45@9530,1035 U?.46 U?.47@11441.42,1599.57 U?.EP Y?.0 Y?.1@11155,1187.68 Y?.2 Z?.2@14270,2075

## Text inside footprints (layer, text, board x,y; h text height)
U?: Top Overlay "ANTENNA" at 8839.99,3044.1 h39.37; Mechanical 13 "ANTENNA / KEEP-OUT" at 8665.5,3193.34 h78.74